# KiCad board OpenDeck-r2.2.1.kicad_pcb (continued)
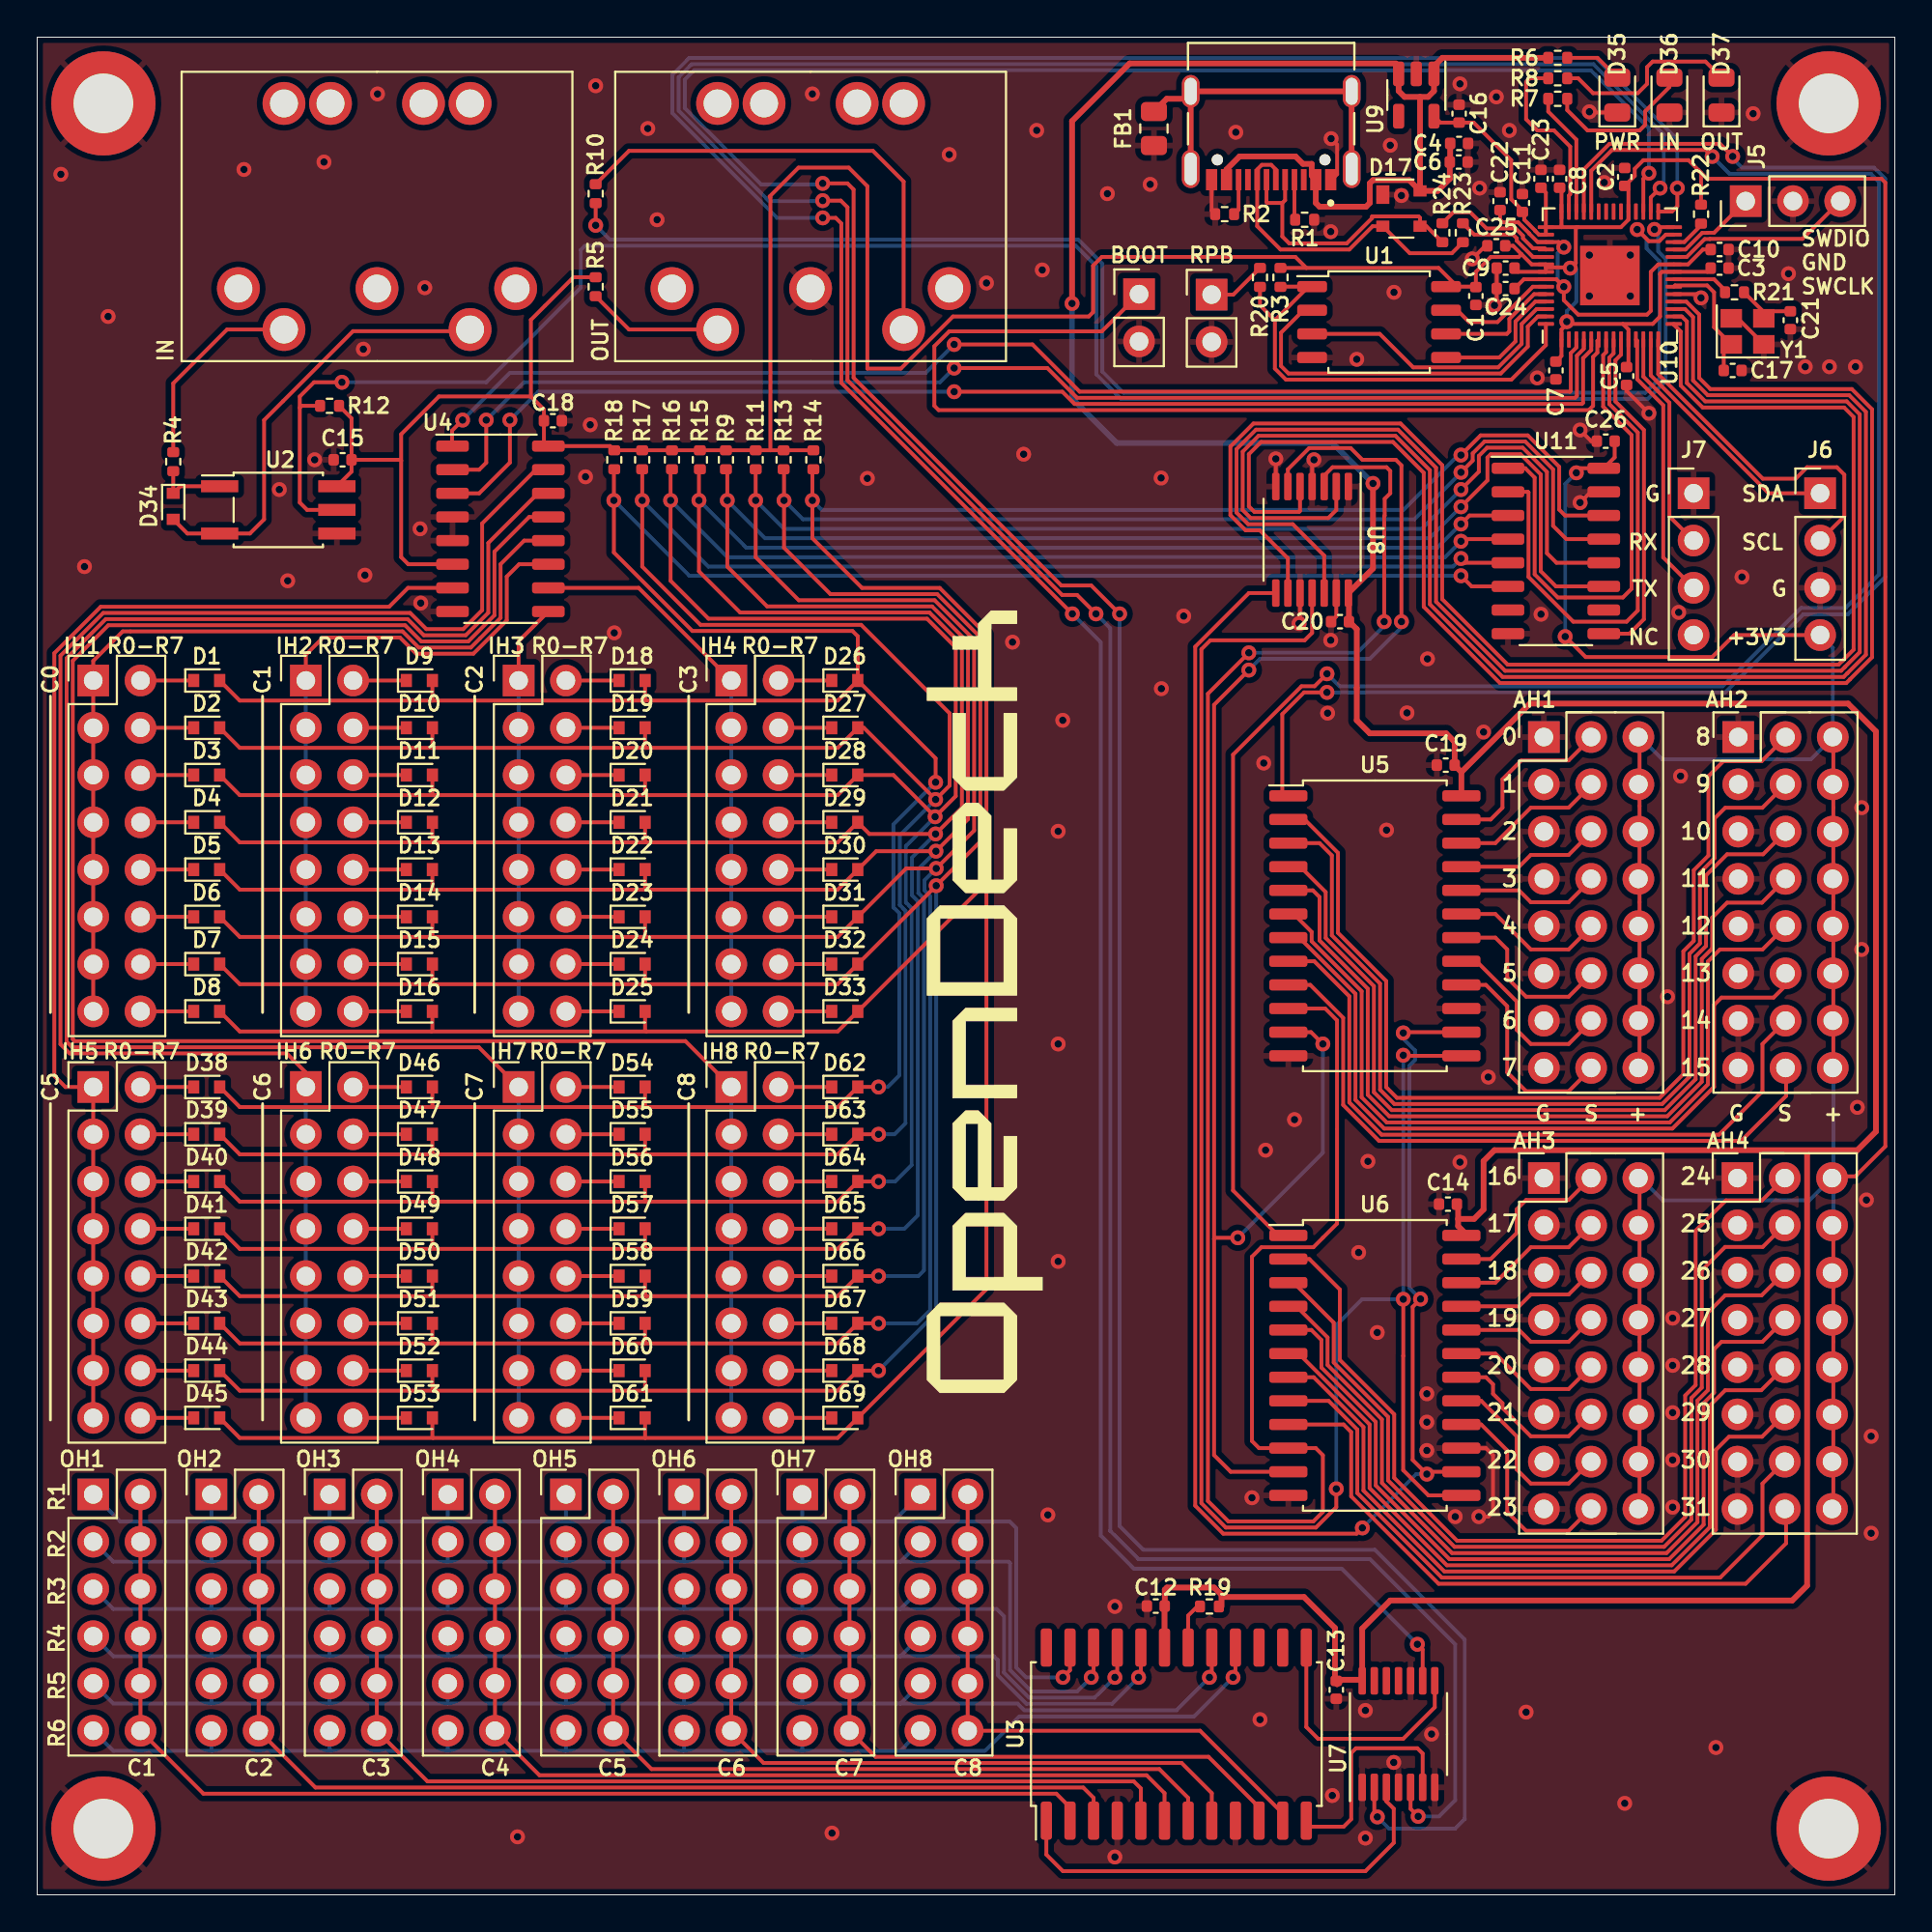
[diagram p0: board, top side]
## Nets (continued)
/LEDs/LC_6: OH6.2 OH6.4 OH6.6 OH6.8 OH6.10 OH6.12 U3.8
/LEDs/LC_7: OH7.2 OH7.4 OH7.6 OH7.8 OH7.10 OH7.12 U3.10
/LEDs/LC_8: OH8.2 OH8.4 OH8.6 OH8.8 OH8.10 OH8.12 U3.11
/LEDs/LR_1_MO: OH1.1 OH2.1 OH3.1 OH4.1 OH5.1 OH6.1 OH7.1 OH8.1 U3.23
/LEDs/LR_2_MO: OH1.3 OH2.3 OH3.3 OH4.3 OH5.3 OH6.3 OH7.3 OH8.3 U3.22
/LEDs/LR_3_MO: OH1.5 OH2.5 OH3.5 OH4.5 OH5.5 OH6.5 OH7.5 OH8.5 U3.21
/LEDs/LR_4_MO: OH1.7 OH2.7 OH3.7 OH4.7 OH5.7 OH6.7 OH7.7 OH8.7 U3.20
/LEDs/LR_5_MO: OH1.9 OH2.9 OH3.9 OH4.9 OH5.9 OH6.9 OH7.9 OH8.9 U3.17
/LEDs/LR_6_MO: OH1.11 OH2.11 OH3.11 OH4.11 OH5.11 OH6.11 OH7.11 OH8.11 U3.16
/MAX7219_CLK: U7.9 U10.29
/MAX7219_DIN: U7.2 U10.31
/MAX7219_LOAD: U7.5 U10.30
/MIDI_RX: R12.2 U2.5 U10.28
/MIDI_TX: R10.2 U10.27
/MUX_COMMON_1: U5.1 U10.39
/MUX_COMMON_2: U6.1 U10.38
/MUX_S0: U8.2 U10.17
/MUX_S1: U8.5 U10.18
/MUX_S2: U8.9 U10.15
/MUX_S3: U8.12 U10.16
/QSPI_CLK: U1.6 U10.52
/QSPI_CS: R3.2 R20.1 U1.1 U10.56
/QSPI_IO0: U1.5 U10.53
/QSPI_IO1: U1.2 U10.55
/QSPI_IO2: U1.3 U10.54
/QSPI_IO3: U1.7 U10.51
/SCL: J6.2 U10.14
/SDA: J6.1 U10.13
/SR_IN_CLOCK: U10.8 U11.2
/SR_IN_DATA: U10.9 U11.9
/SR_IN_LATCH: U10.7 U11.1
/SWCLK: J5.3 U10.24
/SWD: J5.1 U10.25
/TRAFFIC_IN: R7.1 U10.40
/TRAFFIC_OUT: R8.1 U10.41
/TSCREEN_RX: J7.2 U10.12
/TSCREEN_TX: J7.3 U10.11
/USB_DM: D17.3 J3.A7 J3.B7 R24.1
/USB_DP: D17.2 J3.A6 J3.B6 R23.1
/~{USB_BOOT}: J4.1 R20.2
Net-(C17-Pad1): C17.1 U10.20 Y1.1
Net-(C21-Pad2): C21.2 R21.1 Y1.3
Net-(D1-Pad1): D1.1 IH1.2
Net-(D2-Pad1): D2.1 IH1.4
Net-(D3-Pad1): D3.1 IH1.6
Net-(D4-Pad1): D4.1 IH1.8
Net-(D5-Pad1): D5.1 IH1.10
Net-(D6-Pad1): D6.1 IH1.12
Net-(D7-Pad1): D7.1 IH1.14
Net-(D8-Pad1): D8.1 IH1.16
Net-(D9-Pad1): D9.1 IH2.2
Net-(D10-Pad1): D10.1 IH2.4
Net-(D11-Pad1): D11.1 IH2.6
Net-(D12-Pad1): D12.1 IH2.8
Net-(D13-Pad1): D13.1 IH2.10
Net-(D14-Pad1): D14.1 IH2.12
Net-(D15-Pad1): D15.1 IH2.14
Net-(D16-Pad1): D16.1 IH2.16
Net-(D18-Pad1): D18.1 IH3.2
Net-(D19-Pad1): D19.1 IH3.4
Net-(D20-Pad1): D20.1 IH3.6
Net-(D21-Pad1): D21.1 IH3.8
Net-(D22-Pad1): D22.1 IH3.10
Net-(D23-Pad1): D23.1 IH3.12
Net-(D24-Pad1): D24.1 IH3.14
Net-(D25-Pad1): D25.1 IH3.16
Net-(D26-Pad1): D26.1 IH4.2
Net-(D27-Pad1): D27.1 IH4.4
Net-(D28-Pad1): D28.1 IH4.6
Net-(D29-Pad1): D29.1 IH4.8
Net-(D30-Pad1): D30.1 IH4.10
Net-(D31-Pad1): D31.1 IH4.12
Net-(D32-Pad1): D32.1 IH4.14
Net-(D33-Pad1): D33.1 IH4.16
Net-(D34-Pad1): D34.1 R4.2 U2.1
Net-(D34-Pad2): D34.2 J1.5 U2.3
Net-(D35-Pad2): D35.2 R6.2
Net-(D36-Pad2): D36.2 R7.2
Net-(D37-Pad2): D37.2 R8.2
Net-(D38-Pad1): D38.1 IH5.2
Net-(D39-Pad1): D39.1 IH5.4
Net-(D40-Pad1): D40.1 IH5.6
Net-(D41-Pad1): D41.1 IH5.8
Net-(D42-Pad1): D42.1 IH5.10
Net-(D43-Pad1): D43.1 IH5.12
Net-(D44-Pad1): D44.1 IH5.14
Net-(D45-Pad1): D45.1 IH5.16
Net-(D46-Pad1): D46.1 IH6.2
Net-(D47-Pad1): D47.1 IH6.4
Net-(D48-Pad1): D48.1 IH6.6
Net-(D49-Pad1): D49.1 IH6.8
Net-(D50-Pad1): D50.1 IH6.10
Net-(D51-Pad1): D51.1 IH6.12
Net-(D52-Pad1): D52.1 IH6.14
Net-(D53-Pad1): D53.1 IH6.16
Net-(D54-Pad1): D54.1 IH7.2
Net-(D55-Pad1): D55.1 IH7.4
Net-(D56-Pad1): D56.1 IH7.6
Net-(D57-Pad1): D57.1 IH7.8
Net-(D58-Pad1): D58.1 IH7.10
Net-(D59-Pad1): D59.1 IH7.12
Net-(D60-Pad1): D60.1 IH7.14
Net-(D61-Pad1): D61.1 IH7.16
Net-(D62-Pad1): D62.1 IH8.2
Net-(D63-Pad1): D63.1 IH8.4
Net-(D64-Pad1): D64.1 IH8.6
Net-(D65-Pad1): D65.1 IH8.8
Net-(D66-Pad1): D66.1 IH8.10
Net-(D67-Pad1): D67.1 IH8.12
Net-(D68-Pad1): D68.1 IH8.14
Net-(D69-Pad1): D69.1 IH8.16
Net-(FB1-Pad2): FB1.2 J3.S1 J3.S2 J3.S3 J3.S4
Net-(J1-Pad4): J1.4 R4.1
Net-(J2-Pad4): J2.4 R5.1
Net-(J2-Pad5): J2.5 R10.1
Net-(J3-PadA5): J3.A5 R1.1
Net-(J3-PadB5): J3.B5 R2.1
Net-(R19-Pad2): R19.2 U3.18
Net-(R21-Pad2): R21.2 U10.21
Net-(R22-Pad2): R22.2 U10.26
Net-(R23-Pad2): R23.2 U10.47
Net-(R24-Pad2): R24.2 U10.46
Net-(U3-Pad1): U3.1 U7.3
Net-(U3-Pad12): U3.12 U7.6
Net-(U3-Pad13): U3.13 U7.8

Pads without a net: J1 1 2 3 6 7 8 9; J2 1 3 6 7 8 9; J3 A8 B8; J7 4; U3 14 15 24; U7 11 12 13; U9 4; U10 2 32 34 35 36 37; U11 7 10

## Via types
v1: diameter 0.8, hole 0.4, Top to Bottom, 202 vias

## Routing (per net, layer and track width the routed paths; a pad name or vN(x,y) marks a point on that pad's centre or on a via; arc(x,y) is an arc through that point)
+1V1: length 21.6
  Top w0.203: C10.2 89.51,88.41 88.71,87.61 U10.23 87.11,87.61 86.71,87.21 86.71,85.11 86.51,84.91 82.81,84.91 82.04,85.69 v1(82.04,86.41) 81.64,86.81 U10.50 79.89,86.81 C24.2 ; C22.2 78.61,90.01 78.75,89.88 79.58,89.88 80.17,89.29 80.17,89.27 80.63,88.81 U10.45 81.76,88.81 v1(82.04,88.54)
  Bottom w0.203: v1(82.04,88.54) 81.71,88.21 81.71,86.74 v1(82.04,86.41)
+3V3: length 376.6
  Top w0.203: U2.6 16.89,76.48 C15.2 ; 68.2,87.42 75.3,87.42 76.31,86.42 77.28,86.42 C1.1 77.31,87.21 78.11,88.01 79.61,88.01 79.76,88.16 ; 68.2,87.42 R3.1 ; 68.2,87.42 67.61,88.01 57.21,88.01 56.74,87.54 56.74,85.04 56.51,84.81 49.21,84.81 46.41,82.01 44.61,82.01 44.61,91.81 43.61,92.81 40.91,92.81 39.36,91.26 39.4,91.22 39.4,77.62 ; 81.07,87.45 82.45,87.45 82.68,87.69 82.68,89.59 82.71,89.61 82.81,89.61 ; 81.07,87.45 U10.49 79.59,87.21 C9.1 ; 81.07,87.45 U10.48 80.31,87.61 79.76,88.16 ; 89.27,92.68 89.41,92.54 R22.1 ; 89.27,92.68 88.73,93.21 86.31,93.21 85.85,92.75 85.85,92.37 C2.1 85.51,91.63 U10.33 85.51,90.02 85.1,89.61 82.81,89.61 ; 89.27,92.68 89.73,92.21 99.11,92.21 99.31,92.01 99.31,40.22 97.7,38.61 96.52,38.61 ; C15.2 19.51,77.11 19.56,77.07 ; C15.2 16.89,79.34 R12.1 ; R5.2 28.82,86.92 26.53,84.63 26.53,80.52 ; 19.56,77.07 19.56,78.49 21.59,80.52 26.53,80.52 ; 19.56,77.07 19.56,71.88 19.94,71.5 22.29,71.5 ; 79.76,88.16 79.31,88.61 C25.1 ; 39.4,77.62 R18.2 30.78,77.85 U4.16 27.23,78.09 C18.2 27.23,79.82 26.53,80.52 ; 39.4,77.62 R14.2 ; J6.4 91.19,67.69 90.01,66.51 83.21,66.51 v1(82.11,67.61) ; U10.43 81.07,91.47 C23.1 ; U10.43 U10.44 80.7,89.21 80.5,89.41 80.5,89.42 79.91,90.02 79.91,90.33 C11.1 79.81,90.51 79.21,91.11 79.21,93.21 77.19,95.23 C16.2 75.4,95.23 U9.5 ; U10.43 81.91,89.61 ; 82.81,89.61 81.91,89.61 ; 82.21,84.41 81.91,84.11 U10.1 81.91,82.69 C7.1 ; 82.21,84.41 82.21,84.52 v1(82.2,84.54) ; 82.21,84.41 85.21,84.41 ; v1(82.71,76.41) 82.95,76.66 84.18,76.66 84.77,77.24 C26.2 ; 86.11,38.61 86.11,20.83 ; 96.52,36.07 96.52,20.83 ; 81.91,89.61 U10.42 81.91,91.63 C8.1 ; 96.52,44.45 96.52,62.23 ; 85.21,84.41 85.51,84.11 U10.10 85.51,82.19 C5.1 ; 85.21,84.41 86.81,84.41 87.21,84.81 87.21,87.11 87.31,87.21 U10.22 89.73,87.21 C3.1 ; 86.11,62.23 86.11,44.45
  Bottom w0.203: J6.4 96.49,67.01 AH2.17 ; 86.11,38.57 87.36,37.31 95.23,37.31 96.52,38.61 ; 86.11,62.23 87.32,61.01 95.3,61.01 96.52,62.23 ; v1(82.38,87.41) 82.41,87.41 82.51,87.51 82.71,87.31 82.71,85.61 82.2,85.1 v1(82.2,84.54) ; 96.52,38.61 96.52,44.45 ; 96.52,38.61 96.52,36.07 ; v1(82.71,76.41) 82.11,75.81 v1(82.11,67.61)
+5V: length 250.9
  Top w0.305: 73.02,98.41 58.71,98.41 55.61,95.31 v1(55.61,85.51) ; 74.31,96.61 74.74,96.61 75.06,96.93 U9.1 75.06,98.26 75.51,98.71 R6.1 ; 74.31,96.61 D17.4 ; 74.31,96.61 73.48,96.61 73.16,96.93 U9.3 ; 76.53,60.33 80.22,64.01 97.31,64.01 98.81,62.51 98.81,41.01 97.81,40.01 78.31,40.01 77.72,39.43 77.72,36.83 77.22,36.32 76.36,36.32 ; 76.53,60.33 76.17,60.69 C19.2 76.17,61.95 75.71,62.41 71.61,62.41 70.91,63.11 70.91,68.01 70.61,68.31 ; 76.53,60.33 U5.24 ; 76.36,36.32 76.36,37.07 76.34,37.08 ; 76.36,36.32 76.36,35.93 76.86,35.43 ; C20.2 70.49,69.92 U8.14 71.78,71.27 v1(71.78,75.84) ; D17.4 73.73,92.14 71.78,92.14 71.61,91.97 71.61,90.91 71.41,90.71 68.91,90.71 68.71,90.91 J3.A4/B9 68.49,92.39 68.49,93.01 68.02,93.01 67.62,93.41 64.61,93.41 63.91,92.71 J3.B4/A9 ; D17.4 75.26,91.56 75.91,92.21 C6.2 75.93,93.13 C4.2 ; U7.14 71.2,14.31 72.71,15.81 94.31,15.81 95.11,16.61 95.11,39.91 ; 71.2,11.55 70.09,11.55 69.85,11.32 69.74,11.43 69.74,14.34 68.07,16 63.75,16 63.64,16.11 ; 63.64,15.49 63.64,16.11 ; 63.64,16.11 63.25,16.51 60.71,16.51 60.59,16.4 60.59,15.49 60.58,15.48 60.58,13.61
  Bottom w0.305: v1(55.61,85.51) 55.61,80.41 58.01,78.01 69.61,78.01 v1(71.78,75.84)
GND: length 29.7
  Top w0.203: v1(66.56,77.16) U8.7 ; U10.19 89.21,86.01 v1(89.41,85.81) ; v1(68.61,77.11) 68.51,77.01 U8.4 ; Y1.4 91.38,84.71 Y1.2 ; 76.86,47.63 77.17,47.63 ; D35.1 83.45,95.78 v1(83.41,95.81) ; C5.2 85.41,80.81 v1(86.61,79.61) ; R2.2 63.11,90.5 J3.B1/A12 ; 69.51,92.11 69.86,92.46 69.86,94.05 v1(69.53,94.37) ; v1(82.91,74.81) 83.48,75.39 84.18,75.39 ; C25.2 77.82,88.61 v1(77.12,87.91) ; U8.10 67.86,68.66 67.81,68.61 v1(67.81,68.31) ; C9.2 C24.1 78.43,85.53 v1(78.31,85.41) ; C20.1 69.81,68.69 U8.13 ; C26.1 83.51,78.11 v1(82.91,78.71) ; 76.86,24 77.85,24 78.23,23.62 78.23,20.57 77.98,20.32 v1(77.47,20.32)
  vias: v1(1.27,92.46) v1(2.54,71.37) v1(3.81,84.81) v1(11.11,92.71) v1(13.01,75.51) v1(13.46,70.61) v1(14.91,77.11) v1(15.41,93.11) v1(17.53,83.06) v1(17.61,70.91) v1(18.29,96.77) v1(20.57,73.41) v1(20.61,69.41) v1(20.83,86.36) v1(25.81,3.11) v1(29.46,76.2) v1(29.72,78.99) v1(30.01,97.21) v1(31.01,67.81) v1(32.81,94.91) v1(33.31,90.01) v1(41.66,96.77) v1(42.71,3.31) v1(44.61,76.11) v1(49.01,93.51) v1(51.01,86.61) v1(52.41,67.31) v1(53.01,77.41) v1(53.71,94.81) v1(54.01,87.31) v1(54.31,20.41) v1(54.86,57.15) v1(54.86,45.72) v1(54.86,34.04) v1(55.11,63.11) v1(57.51,91.41) v1(57.91,15.49) v1(57.91,2.03) v1(59.81,91.91) v1(60.4,76.13) v1(60.41,64.81) v1(61.61,68.71) v1(64.41,94.71) v1(65.28,21.34) v1(65.71,9.41) v1(65.91,60.81) v1(66.01,40.01) v1(67.56,41.66) v1(69.34,63.5) v1(69.51,89.37) v1(69.51,67.41) v1(69.6,5.33) v1(70.91,82.51) v1(71.01,34.51) v1(71.37,9.91) v1(71.37,3.05) v1(71.51,39.41) v1(72.01,30.21) v1(72.51,57.21) v1(72.71,94.01) v1(72.91,86.11) v1(72.9,7.11) v1(73.31,91.31) v1(73.61,63.51) v1(74.71,66.41) v1(74.68,26.92) v1(74.68,25.4) v1(74.68,23.88) v1(74.93,8.64) v1(76.2,20.32) v1(76.45,97.31) v1(76.45,39.37) v1(77.51,91.71) v1(77.72,62.48) v1(77.98,43.94) v1(78.41,96.61) v1(79.11,94.81) v1(80.01,9.81) v1(80.61,81.51) v1(80.81,68.81) v1(83.41,88.11) v1(83.41,85.91) v1(84.21,92.01) v1(85.31,4.91) v1(85.61,88.11) v1(85.61,85.91) v1(87.61,48.26) v1(87.88,30.99) v1(87.88,28.45) v1(87.88,25.91) v1(87.88,23.37) v1(87.88,20.83) v1(88.21,68.91) v1(88.31,60.11) v1(90.21,7.91) v1(91.61,70.81) v1(92.21,95.71) v1(94.11,87.11) v1(95.01,82.11) v1(96.31,82.11) v1(97.71,82.11) v1(97.81,42.31) v1(98.04,58.42) v1(98.04,50.8) v1(98.3,37.34) v1(98.55,24.64) v1(98.55,19.43)
/Analog/A_IN_0: length 9.4
  Top w0.203: 83.57,62.23 82.3,60.96 79.76,60.96 78.74,59.94 78.74,58.42 78.1,57.79 76.86,57.79
/Analog/A_IN_1: length 8
  Top w0.203: 76.86,56.52 78.36,56.52 80.26,58.42 82.3,58.42 83.57,59.69
/Analog/A_IN_2: length 7.5
  Top w0.203: 76.86,55.25 79.63,55.25 80.26,55.88 82.3,55.88 83.57,57.15
/Analog/A_IN_3: length 7.5
  Top w0.203: 83.57,54.61 82.3,53.34 80.26,53.34 79.63,53.98 76.86,53.98
/Analog/A_IN_4: length 8
  Top w0.203: 83.57,52.07 82.3,50.8 80.26,50.8 78.36,52.71 76.86,52.71
/Analog/A_IN_5: length 9.4
  Top w0.203: 76.86,51.44 78.36,51.44 78.99,50.8 78.99,49.28 80.01,48.26 82.3,48.26 83.57,49.53
/Analog/A_IN_6: length 10
  Top w0.203: 83.57,46.99 82.3,45.72 80.26,45.72 79.5,46.48 79.5,48.01 77.34,50.17 76.86,50.17
/Analog/A_IN_7: length 11.7
  Top w0.203: 83.57,44.45 82.3,43.18 80.01,43.18 78.99,44.2 78.99,47.75 77.85,48.9 76.86,48.9
/Analog/A_IN_8: length 55.4
  Top w0.203: 93.98,62.23 92.66,60.91 90.61,60.91 89.81,60.11 89.81,55.85 89.02,55.06 89.02,51.26 88.46,50.7 88.46,44.1 87.19,42.83 73.07,42.83 72.49,43.4 72.49,49.1 69.9,51.69 69.9,55.99 68.11,57.79 U5.2
/Analog/A_IN_9: length 52.9
  Top w0.203: 93.98,59.69 92.7,58.41 90.71,58.41 90.14,57.84 90.14,55.71 89.35,54.92 89.35,51.13 88.79,50.57 88.79,43.96 87.32,42.5 72.93,42.5 72.16,43.26 72.16,48.96 69.57,51.56 69.57,55.85 68.91,56.52 U5.3
/Analog/A_IN_10: length 49.2
  Top w0.203: 93.98,57.15 92.74,55.91 90.81,55.91 89.68,54.78 89.68,50.99 89.12,50.43 89.12,43.83 87.46,42.17 72.79,42.17 71.83,43.13 71.83,48.83 69.24,51.42 69.24,53.88 67.88,55.25 U5.4
/Analog/A_IN_11: length 46.6
  Top w0.203: U5.5 68.55,53.98 68.91,53.61 68.91,51.28 71.5,48.69 71.5,42.99 72.66,41.84 87.6,41.84 89.45,43.69 89.45,50.29 90.01,50.85 90.01,52.51 90.81,53.31 92.68,53.31 93.98,54.61
/Analog/A_IN_12: length 43
  Top w0.203: 93.98,52.07 92.71,50.8 90.42,50.8 89.78,50.16 89.78,43.55 87.73,41.51 72.52,41.51 71.17,42.85 71.17,48.55 68.49,51.24 68.49,51.74 67.52,52.71
/Analog/A_IN_13: length 40.8
  Top w0.203: 93.98,49.53 93.98,48.88 93.31,48.21 90.51,48.21 90.11,47.81 90.11,43.41 87.87,41.18 72.38,41.18 70.84,42.72 70.84,48.42 67.82,51.44 U5.7
/Analog/A_IN_14: length 38.3
  Top w0.203: 66.91,50.17 68.63,50.17 70.51,48.28 70.51,42.58 72.25,40.84 90.37,40.84 92.71,43.18 92.71,45.72 93.98,46.99
/Analog/A_IN_15: length 35.8
  Top w0.203: 66.91,48.9 68.41,48.9 70.18,47.13 70.18,42.44 72.11,40.51 91.57,40.51 93.98,42.93 93.98,44.45
/Analog/A_IN_16: length 9.3
  Top w0.203: 83.57,38.61 82.3,37.34 80.01,37.34 79.5,36.83 79.5,35.56 78.1,34.16 76.86,34.16
/Analog/A_IN_17: length 8
  Top w0.203: 76.86,32.89 78.36,32.89 80.26,34.8 82.3,34.8 83.57,36.07
/Analog/A_IN_18: length 7.5
  Top w0.203: 76.86,31.62 79.63,31.62 80.26,32.26 82.3,32.26 83.57,33.53
/Analog/A_IN_19: length 7.5
  Top w0.203: 76.86,30.35 79.63,30.35 80.26,29.72 82.3,29.72 83.57,30.99
/Analog/A_IN_20: length 8
  Top w0.203: 76.86,29.08 78.36,29.08 80.26,27.18 82.3,27.18 83.57,28.45
/Analog/A_IN_21: length 9
  Top w0.203: 83.57,25.91 82.3,24.64 80.26,24.64 78.74,26.16 78.74,26.42 78.23,26.92 78.23,27.43 77.85,27.81 76.86,27.81
/Analog/A_IN_22: length 10.1
  Top w0.203: 76.86,26.54 77.6,26.54 79.5,24.64 79.5,22.86 80.26,22.1 82.3,22.1 83.57,23.37
/Analog/A_IN_23: length 11.5
  Top w0.203: 76.86,25.27 77.6,25.27 78.99,23.88 78.99,20.57 80.01,19.56 82.3,19.56 83.57,20.83
/Analog/A_IN_24: length 54
  Top w0.203: 93.98,38.61 92.69,37.31 90.74,37.31 89.12,35.69 89.12,27.39 88.56,26.83 88.56,20.3 87.29,19.03 76.3,19.03 72.92,22.41 72.92,25.82 70,28.74 70,32.52 68.36,34.16 U6.2
/Analog/A_IN_25: length 50.6
  Top w0.203: U6.3 67.52,32.89 69.67,30.75 69.67,28.6 72.59,25.68 72.59,22.27 76.16,18.7 87.42,18.7 88.89,20.16 88.89,26.69 89.45,27.26 89.45,33.55 90.71,34.81 92.73,34.81 93.98,36.07
/Analog/A_IN_26: length 47.7
  Top w0.203: U6.4 67.67,31.62 69.34,29.95 69.34,28.47 72.26,25.55 72.26,22.13 76.03,18.37 87.56,18.37 89.22,20.02 89.22,26.56 89.78,27.12 89.78,31.28 90.71,32.21 92.67,32.21 93.98,33.53
/Analog/A_IN_27: length 45.3
  Top w0.203: 93.98,30.99 92.71,29.71 90.51,29.71 90.11,29.31 90.11,26.98 89.55,26.42 89.55,19.89 87.7,18.04 75.89,18.04 71.93,21.99 71.93,25.41 69.01,28.33 69.01,29.81 68.47,30.35 U6.5
/Analog/A_IN_28: length 42.1
  Top w0.203: 66.91,29.08 67.79,29.08 71.6,25.27 71.6,21.86 75.75,17.71 87.83,17.71 89.88,19.75 89.88,26.28 90.71,27.11 92.65,27.11 93.98,28.45
/Analog/A_IN_29: length 39.5
  Top w0.203: 66.91,27.81 68.59,27.81 71.27,25.14 71.27,21.72 75.62,17.38 87.97,17.38 90.21,19.61 90.21,23.91 90.91,24.61 92.69,24.61 93.98,25.91
/Analog/A_IN_30: length 37.3
  Top w0.203: 66.91,26.54 69.4,26.54 70.94,25 70.94,21.58 75.48,17.04 90.44,17.04 92.71,19.31 92.71,22.1 93.98,23.37
/Analog/A_IN_31: length 35.5
  Top w0.203: 66.91,25.27 70.2,25.27 70.61,24.86 70.61,21.41 75.31,16.71 91.81,16.71 93.98,18.88 93.98,20.83
/Analog/MUX_S0_5V: length 110.6
  Top w0.203: v1(65.11,66.74) 62.91,64.54 62.91,21.16 64.01,20.07 68.58,20.07 69.09,20.57 69.09,23.62 68.71,24 65.66,24 65.28,24.38 65.28,34.29 65.79,34.8 68.58,34.8 69.85,36.07 69.85,46.99 69.22,47.63 66.91,47.63 ; v1(72.38,68.41) 72.38,74.09 72.41,74.11 72.41,75.01 72.71,75.31 72.71,76.51 72.51,76.71 69.61,76.71 69.16,76.26 U8.3
  Bottom w0.203: v1(65.11,66.74) 65.11,66.74 70.94,66.74 72.41,68.21 72.41,68.41 v1(72.38,68.41)
/Analog/MUX_S1_5V: length 88.8
  Top w0.203: 66.91,22.73 64.13,22.73 63.24,23.63 63.24,35.24 ; v1(65.11,65.81) 63.24,63.94 63.24,35.24 ; U8.6 67.21,76.6 68.35,77.74 70.58,77.74 71.21,77.11 73.01,77.11 73.31,76.81 v1(73.31,68.41) ; v1(69.09,45.72) 68.45,46.36 66.91,46.36 ; v1(64.52,35.31) 63.3,35.31 63.24,35.24
  Bottom w0.203: v1(73.31,68.41) 73.31,68.11 71.61,66.41 65.71,66.41 v1(65.11,65.81) ; v1(69.09,45.72) 69.09,39.88 v1(64.52,35.31)
/Analog/MUX_S2_5V: length 96.3
  Top w0.203: v1(74.34,32.01) 73.91,31.59 73.91,23.37 v1(74.68,22.61) 74.8,22.73 76.86,22.73 ; U5.14 73.45,46.36 v1(73.41,46.31) ; U8.8 65.11,69.95 62.23,67.07 62.23,20.91 63.73,19.41 70.9,19.41 v1(71.21,19.71)
  Bottom w0.203: v1(74.34,32.01) 73.74,32.61 73.74,44.56 74.04,44.85 74.04,45.37 73.41,46 v1(73.41,46.31) ; v1(74.68,22.61) 74.1,22.61 v1(71.21,19.71)
/Analog/MUX_S3_5V: length 106
  Top w0.203: v1(73.41,32) 73.41,28.96 73.41,28.96 73.41,22.82 74.76,21.46 76.86,21.46 ; U8.11 68.51,67.81 68.11,67.41 63.04,67.41 62.56,66.93 62.56,21.05 63.87,19.74 68.72,19.74 69.81,20.83 v1(69.81,21.81) ; v1(73.41,45.11) 73.44,45.09 U5.13
  Bottom w0.203: v1(73.41,45.11) v1(73.41,32) 71.2,32 69.81,30.61 v1(69.81,21.81)
/BTLDR: length 54.6
  Top w0.203: U10.6 83.84,83.51 83.84,82.87 83.61,82.64 83.61,80.01 83.38,79.78 48.44,79.78 48.21,80.01 48.21,83.21 49.01,84.01 57.21,84.01 J8.1
/Buttons/BC_1: length 48.4
  Top w0.203: IH1.15 IH1.13 IH1.11 IH1.9 IH1.7 IH1.5 IH1.3 IH1.1 3.01,66.31 4.6,67.89 19.63,67.89 20.5,67.02 23.3,67.02 23.8,67.52 ; 23.81,67.53 24.9,68.62 24.9,71.51 26.17,72.77 U4.12
/Buttons/BC_2: length 36.3
  Top w0.203: IH2.1 14.43,66.64 15.36,67.56 19.49,67.56 20.36,66.69 23.44,66.69 25.23,68.48 25.23,70.84 25.9,71.5 U4.11
  Bottom w0.203: IH2.1 IH2.3 IH2.5 IH2.7 IH2.9 IH2.11 IH2.13 IH2.15
/Buttons/BC_3: length 22.1
  Top w0.203: IH3.1 25.87,67.36 U4.9
  Bottom w0.203: IH3.15 IH3.13 IH3.11 IH3.9 IH3.7 IH3.5 IH3.3 IH3.1
/Buttons/BC_4: length 29.7
  Top w0.203: IH4.1 32.32,70.23 U4.10
  Bottom w0.203: IH4.15 IH4.13 IH4.11 IH4.9 IH4.7 IH4.5 IH4.3 IH4.1
/Buttons/BC_5: length 65.7
  Top w0.203: U4.7 19.93,70.23 18.91,69.21 3.41,69.21 0.92,66.72 0.92,44.01 1.52,43.41 IH5.1 IH5.3 IH5.5 IH5.7 IH5.9 IH5.11 IH5.13 IH5.15
/Buttons/BC_6: length 87.1
  Top w0.203: IH6.1 14.43,44.19 13.41,45.21 1.74,45.21 1.25,45.71 1.25,66.59 3.55,68.88 20.04,68.88 20.91,68.01 22.89,68.01 23.91,69.03 23.91,73.69 26.8,76.58 U4.15
  Bottom w0.203: IH6.1 IH6.3 IH6.5 IH6.7 IH6.9 IH6.11 IH6.13 IH6.15
/Buttons/BC_7: length 96.2
  Top w0.203: U4.14 26.91,75.31 24.24,72.64 24.24,68.89 23.03,67.68 20.77,67.68 19.9,68.55 3.68,68.55 1.58,66.45 1.58,45.84 1.88,45.54 23.73,45.54 IH7.1
  Bottom w0.203: IH7.15 IH7.13 IH7.11 IH7.9 IH7.7 IH7.5 IH7.3 IH7.1
/Buttons/BC_8: length 106
  Top w0.203: IH8.1 34.83,45.88 2.02,45.88 1.91,45.98 1.91,66.31 3.82,68.22 19.77,68.22 20.64,67.35 23.17,67.35 24.57,68.76 24.57,72.18 26.44,74.04 U4.13
  Bottom w0.203: IH8.1 IH8.3 IH8.5 IH8.7 IH8.9 IH8.11 IH8.13 IH8.15
/Buttons/BR_1: length 172.9
  Top w0.203: 32.69,42.33 43.02,42.33 D62.2 44.1,43.41 45.11,43.41 ; 32.69,42.33 32.67,42.36 D54.2 ; 32.69,42.33 21.29,42.33 ; 21.25,64.17 10.88,64.17 D1.2 ; 21.25,64.17 21.24,64.19 D9.2 ; 21.25,64.17 32.67,64.17 ; 32.67,64.17 32.67,64.18 D18.2 ; 32.67,64.17 43.02,64.17 D26.2 ; D26.2 44.1,67.63 43.81,67.91 35.21,67.91 30.99,72.14 v1(30.99,74.93) 30.99,76.57 ; D26.2 48.28,61.07 v1(48.28,59.78) ; v1(76.51,70.88) 77.08,70.31 U11.6 ; D38.2 10.88,42.33 21.29,42.33 ; 21.29,42.33 21.24,42.39 D46.2
  Bottom w0.203: v1(30.99,74.93) 30.99,74.93 35.04,70.88 v1(76.51,70.88) ; v1(48.28,59.78) 46.01,57.52 46.01,53.06 46.33,52.74 46.33,44.03 45.7,43.41 v1(45.21,43.41)
/Buttons/BR_2: length 179.8
  Top w0.203: D47.2 21.24,39.84 21.29,39.79 ; 21.29,61.63 10.88,61.63 D2.2 ; 21.29,61.63 21.24,61.69 D10.2 ; 21.29,61.63 32.69,61.63 ; v1(76.51,71.81) 76.74,71.58 U11.5 ; 21.29,39.79 10.88,39.79 D39.2 ; 21.29,39.79 32.63,39.79 ; 32.51,76.57 v1(32.51,74.93) 32.51,71.37 35.64,68.24 44.28,68.24 49.03,63.49 49.03,59.61 v1(48.28,58.86) 44.42,62.71 D27.2 43.02,61.63 32.69,61.63 ; D19.2 32.67,61.66 32.69,61.63 ; 32.63,39.79 32.67,39.82 D55.2 ; 32.63,39.79 43.02,39.79 D63.2 v1(45.21,40.87)
  Bottom w0.203: v1(45.21,40.87) 46.06,40.87 46.66,41.46 46.66,52.88 46.35,53.19 46.35,56.93 v1(48.28,58.86) ; v1(76.51,71.81) 76.08,71.37 36.07,71.37 v1(32.51,74.93)
/Buttons/BR_3: length 181.5
  Top w0.203: 32.69,59.09 43.02,59.09 D28.2 46.01,60.17 v1(48.25,57.93) 49.36,59.04 49.36,67.03 47.81,68.58 36.07,68.58 34.04,70.61 v1(34.04,74.93) 34.04,76.57 ; 32.69,59.09 32.67,59.12 D20.2 ; 32.69,59.09 21.23,59.09 ; 21.27,37.25 10.88,37.25 D40.2 ; 21.27,37.25 32.65,37.25 ; 21.27,37.25 21.24,37.29 D48.2 ; D11.2 21.24,59.1 21.23,59.09 ; 21.23,59.09 10.88,59.09 D3.2 ; 32.65,37.25 32.67,37.27 D56.2 ; 32.65,37.25 43.02,37.25 D64.2 v1(45.21,38.33) ; U11.4 76.62,72.85 v1(76.51,72.74)
  Bottom w0.203: v1(34.04,74.93) 37.08,71.88 75.66,71.88 v1(76.51,72.74) ; v1(48.25,57.93) 46.68,56.36 46.68,53.32 46.99,53.01 46.99,39.21 46.1,38.33 v1(45.21,38.33)
/Buttons/BR_4: length 181
  Top w0.203: 21.27,56.55 32.67,56.55 ; 21.27,56.55 21.24,56.59 D12.2 ; 21.27,56.55 10.88,56.55 D4.2 ; 32.67,56.55 43.02,56.55 D29.2 44.72,57.01 v1(48.27,57.01) 49.69,58.42 49.69,67.17 47.95,68.91 37.77,68.91 35.56,71.12 v1(35.56,74.93) 35.56,76.57 ; 32.67,56.55 32.67,56.56 D21.2 ; 21.21,34.71 32.61,34.71 ; 21.21,34.71 21.24,34.73 D49.2 ; 21.21,34.71 10.88,34.71 D41.2 ; 32.61,34.71 43.02,34.71 D65.2 v1(45.21,35.79) ; 32.61,34.71 32.67,34.77 D57.2 ; v1(76.51,73.66) 76.97,74.12 U11.3
  Bottom w0.203: v1(35.56,74.93) 38.1,72.39 75.24,72.39 v1(76.51,73.66) ; v1(48.27,57.01) 47.01,55.74 47.01,53.7 47.32,53.39 47.32,36.51 46.59,35.79 v1(45.21,35.79)
/Buttons/BR_5: length 192.2
  Top w0.203: 32.67,24.55 32.67,24.56 D61.2 ; 32.67,24.55 21.27,24.55 ; 32.67,24.55 43.02,24.55 D69.2 51.01,32.54 51.01,54.39 ; 21.19,46.39 32.73,46.39 ; 21.19,46.39 10.88,46.39 D8.2 ; 21.19,46.39 21.24,46.44 D16.2 ; 32.73,46.39 43.02,46.39 D33.2 51.01,54.39 ; 32.73,46.39 32.67,46.46 D25.2 ; 41.66,76.57 v1(41.66,74.93) 41.66,72.9 44.33,70.23 48.5,70.23 51.01,67.71 51.01,54.39 ; 21.27,24.55 10.88,24.55 D45.2 ; 21.27,24.55 21.24,24.59 D53.2 ; v1(76.51,77.37) 77.57,78.43 80.1,78.43 81.79,76.74 81.79,74.44 82.1,74.12 84.18,74.12
  Bottom w0.203: v1(76.51,77.37) 76.36,77.37 73.42,74.42 42.16,74.42 v1(41.66,74.93)
/Buttons/BR_6: length 190.6
  Top w0.203: 21.23,48.93 10.88,48.93 D7.2 ; 21.23,48.93 21.24,48.94 D15.2 ; 21.23,48.93 32.63,48.93 ; D24.2 32.67,48.97 32.63,48.93 ; 21.29,27.09 32.63,27.09 ; 21.29,27.09 21.24,27.14 D52.2 ; 21.29,27.09 10.88,27.09 D44.2 ; 32.63,27.09 32.67,27.12 D60.2 ; 32.63,27.09 43.02,27.09 D68.2 v1(45.21,28.17) ; 40.13,76.57 v1(40.13,74.93) 40.13,72.39 42.63,69.9 48.36,69.9 50.68,67.58 50.68,56.6 v1(48.31,54.23) D32.2 43.02,48.93 32.63,48.93 ; v1(76.51,76.44) 77.14,77.07 77.14,77.46 77.78,78.1 79.96,78.1 81.46,76.6 81.46,73.57 82.17,72.85 84.18,72.85
  Bottom w0.203: v1(40.13,74.93) 41.15,73.91 74.01,73.91 76.51,76.41 v1(76.51,76.44) ; v1(45.21,28.17) 48.31,31.27 v1(48.31,54.23)
/Buttons/BR_7: length 193.3
  Top w0.203: 21.19,29.63 21.24,29.67 D51.2 ; 21.19,29.63 10.88,29.63 D43.2 ; 21.19,29.63 32.63,29.63 ; 32.67,51.47 43.02,51.47 D31.2 46.7,55.15 v1(48.31,55.15) 50.35,57.19 50.35,67.44 48.22,69.57 40.92,69.57 38.61,71.88 v1(38.61,74.93) 38.61,76.57 ; 32.67,51.47 32.67,51.48 D23.2 ; 32.67,51.47 21.25,51.47 ; 32.63,29.63 32.67,29.67 D59.2 ; 32.63,29.63 43.02,29.63 D67.2 v1(45.21,30.71) ; 84.18,71.58 81.64,71.58 81.13,72.1 81.13,76.46 79.83,77.77 77.91,77.77 77.47,77.32 77.47,76.48 v1(76.51,75.51) ; 21.25,51.47 10.88,51.47 D6.2 ; 21.25,51.47 21.24,51.49 D14.2
  Bottom w0.203: v1(48.31,55.15) 47.68,54.52 47.68,53.97 47.98,53.67 47.98,31.41 47.28,30.71 v1(45.21,30.71) ; v1(76.51,75.51) 74.4,73.41 40.13,73.41 v1(38.61,74.93)
/Buttons/BR_8: length 194.4
  Top w0.203: D58.2 32.67,32.26 32.75,32.17 ; 32.75,32.17 43.02,32.17 D66.2 v1(45.21,33.25) ; 32.75,32.17 21.25,32.17 ; 21.25,32.17 21.24,32.19 D50.2 ; 21.25,32.17 10.88,32.17 D42.2 ; 21.31,54.01 21.24,54.09 D13.2 ; 21.31,54.01 10.88,54.01 D5.2 ; 21.31,54.01 32.61,54.01 ; 84.18,70.31 81.61,70.31 80.8,71.13 80.8,76.33 79.71,77.41 78.11,77.41 77.93,77.24 77.93,76.01 v1(76.51,74.59) ; D22.2 32.67,54.07 32.61,54.01 ; 32.61,54.01 43.02,54.01 D30.2 45.08,56.08 v1(48.3,56.08) 50.02,57.8 50.02,67.3 48.09,69.24 39.22,69.24 37.08,71.37 v1(37.08,74.93) 37.08,76.57
  Bottom w0.203: v1(48.3,56.08) 47.35,55.13 47.35,53.83 47.65,53.53 47.65,33.55 47.34,33.25 v1(45.21,33.25) ; v1(37.08,74.93) 39.12,72.9 74.82,72.9 v1(76.51,74.59)
/DEC_DI_A0: length 66.8
  Top w0.203: v1(22.86,79.25) 22.29,78.68 22.29,77.85 ; v1(49.28,83.31) 53.48,83.31 56.02,80.78 82.37,80.78 82.41,80.81 82.41,82.85 82.71,83.15 U10.3
  Bottom w0.203: v1(49.28,83.31) 47.75,81.79 25.4,81.79 v1(22.86,79.25)
/DEC_DI_A1: length 67.9
  Top w0.203: v1(24.13,79.25) 24.13,76.96 23.75,76.58 22.29,76.58 ; v1(49.28,82.04) 54.28,82.04 55.88,80.44 82.64,80.44 82.74,80.54 82.74,82.71 83.11,83.08 U10.4
  Bottom w0.203: v1(49.28,82.04) 48.51,81.28 26.16,81.28 v1(24.13,79.25)
/DEC_DI_A2: length 68.3
  Top w0.203: U10.5 83.51,83.01 83.07,82.57 83.07,80.18 83.01,80.11 55.74,80.11 55.09,80.77 v1(49.28,80.77) ; v1(25.4,79.25) 25.4,76.96 23.75,75.31 22.29,75.31
  Bottom w0.203: v1(25.4,79.25) 26.92,80.77 v1(49.28,80.77)
/LEDs/LC_1: length 65.4
  Top w0.203: OH1.2 OH1.12 8.93,5.43 54.76,5.43 55.5,4.7 55.5,3.66
/LEDs/LC_2: length 60.6
  Top w0.203: OH2.2 OH2.12 14.95,5.76 56.21,5.76 56.77,5.21 56.77,3.66
/LEDs/LC_3: length 57.1
  Top w0.203: OH3.2 OH3.12 20.97,6.09 58.93,6.09 59.31,5.72 59.31,3.66
/LEDs/LC_4: length 51.9
  Top w0.203: OH4.2 OH4.12 26.99,6.42 59.62,6.42 60.58,5.46 60.58,3.66
/LEDs/LC_5: length 46.6
  Top w0.203: 61.85,3.66 61.85,5.21 60.3,6.75 33.01,6.75 OH5.12 OH5.2
/LEDs/LC_6: length 41.7
  Top w0.203: OH6.2 OH6.12 39.03,7.08 61.5,7.08 63.12,5.46 63.12,3.66
/LEDs/LC_7: length 37.5
  Top w0.203: OH7.2 OH7.12 45.05,7.41 62.94,7.41 65.66,4.7 65.66,3.66
/LEDs/LC_8: length 32.2
  Top w0.203: 66.93,3.66 66.93,4.38 62.49,8.81 OH8.12 OH8.10 OH8.2
/LEDs/LR_1_MO: length 73.6
  Top w0.203: v1(55.12,11.68) 55.5,12.06 55.5,13.61
  Bottom w0.203: 28.35,20.05 34.77,20.05 ; 28.35,20.05 21.97,20.05 ; 28.35,20.05 28.41,20.11 OH5.1 ; 34.77,20.05 41.07,20.05 ; 34.77,20.05 34.76,20.06 OH6.1 ; 41.07,20.05 46,20.05 ; 41.07,20.05 41.11,20.09 OH7.1 ; 46,20.05 OH8.1 ; 46,20.05 52.27,20.05 52.61,19.71 52.61,12.21 53.14,11.68 v1(55.12,11.68) ; 9.37,20.05 15.65,20.05 ; 9.37,20.05 4.47,20.05 OH1.1 ; 9.37,20.05 9.36,20.06 OH2.1 ; 15.65,20.05 21.97,20.05 ; 15.65,20.05 15.71,20.11 OH3.1 ; 21.97,20.05 22.06,20.14 OH4.1
/LEDs/LR_2_MO: length 70.7
  Top w0.203: 56.77,13.61 56.77,11.81 v1(56.64,11.68)
  Bottom w0.203: OH4.3 22.06,17.93 22.03,17.9 ; 9.43,17.9 4.09,17.9 OH1.3 ; 9.43,17.9 15.69,17.9 ; 9.43,17.9 9.36,17.96 OH2.3 ; 22.03,17.9 28.39,17.9 ; 22.03,17.9 15.69,17.9 ; 28.39,17.9 34.79,17.9 ; 28.39,17.9 28.41,17.91 OH5.3 ; 34.79,17.9 41.09,17.9 ; 34.79,17.9 34.76,17.93 OH6.3 ; 15.69,17.9 15.71,17.91 OH3.3 ; OH7.3 41.11,17.91 41.09,17.9 ; 46.38,17.9 OH8.3 ; 46.38,17.9 52.2,17.9 52.28,17.81 52.28,12.08 53.44,10.92 55.88,10.92 v1(56.64,11.68) ; 46.38,17.9 41.09,17.9
/LEDs/LR_3_MO: length 69.6
  Top w0.203: 58.04,13.61 58.04,11.81 v1(57.91,11.68)
  Bottom w0.203: 9.35,15.36 15.65,15.36 ; 9.35,15.36 9.36,15.36 OH2.5 ; 9.35,15.36 4.09,15.36 OH1.5 ; 15.65,15.36 15.71,15.41 OH3.5 ; 15.65,15.36 22.07,15.36 ; 46.38,15.36 51.57,15.36 51.95,14.97 51.95,11.94 53.3,10.59 56.82,10.59 v1(57.91,11.68) ; 46.38,15.36 OH8.5 ; 46.38,15.36 41.07,15.36 ; OH5.5 28.41,15.4 28.37,15.36 ; 34.75,15.36 41.07,15.36 ; 34.75,15.36 28.37,15.36 ; 34.75,15.36 34.76,15.36 OH6.5 ; 41.07,15.36 41.11,15.4 OH7.5 ; 28.37,15.36 22.07,15.36 ; 22.07,15.36 22.06,15.36 OH4.5
/LEDs/LR_4_MO: length 68.8
  Top w0.203: 59.31,13.61 59.31,11.81 v1(59.18,11.68)
  Bottom w0.203: 22.11,12.82 22.06,12.86 OH4.7 ; 22.11,12.82 15.71,12.82 ; 22.11,12.82 28.41,12.82 ; 15.71,12.82 15.71,12.82 OH3.7 ; 15.71,12.82 9.41,12.82 ; OH6.7 34.76,12.86 34.71,12.82 ; 9.41,12.82 4.09,12.82 OH1.7 ; 9.41,12.82 9.36,12.86 OH2.7 ; 28.41,12.82 28.41,12.82 OH5.7 ; 28.41,12.82 34.71,12.82 ; 34.71,12.82 41.11,12.82 ; 41.11,12.82 41.11,12.82 OH7.7 ; 41.11,12.82 46.38,12.82 ; 46.38,12.82 OH8.7 ; 46.38,12.82 46.38,12.81 51.42,12.81 51.62,12.61 51.62,11.8 53.16,10.26 57.76,10.26 v1(59.18,11.68)
/LEDs/LR_5_MO: length 71.4
  Top w0.203: 63.12,13.61 63.12,11.81 v1(62.99,11.68)
  Bottom w0.203: OH1.9 4.09,10.28 9.35,10.28 ; OH4.9 22.06,10.29 22.05,10.28 ; 41.17,10.28 46.38,10.28 ; 41.17,10.28 41.11,10.34 OH7.9 ; 41.17,10.28 34.77,10.28 ; 46.38,10.28 52.68,10.28 53.04,9.91 61.22,9.91 v1(62.99,11.68) ; 46.38,10.28 OH8.9 ; 22.05,10.28 28.35,10.28 ; 22.05,10.28 15.67,10.28 ; 28.35,10.28 34.77,10.28 ; 28.35,10.28 28.41,10.34 OH5.9 ; 9.35,10.28 15.67,10.28 ; 9.35,10.28 9.36,10.29 OH2.9 ; 15.67,10.28 15.71,10.31 OH3.9 ; 34.77,10.28 34.76,10.29 OH6.9
/LEDs/LR_6_MO: length 73.4
  Top w0.203: 64.39,13.61 64.39,11.81 v1(64.26,11.68)
  Bottom w0.203: OH4.11 22.06,7.76 22.03,7.74 ; 9.39,7.74 15.79,7.74 ; 9.39,7.74 9.36,7.76 OH2.11 ; 9.39,7.74 4.09,7.74 OH1.11 ; 15.79,7.74 22.03,7.74 ; 15.79,7.74 15.71,7.81 OH3.11 ; 28.39,7.74 34.73,7.74 ; 28.39,7.74 28.41,7.76 OH5.11 ; 28.39,7.74 22.03,7.74 ; 34.73,7.74 34.76,7.76 OH6.11 ; 34.73,7.74 41.13,7.74 ; 46.38,7.74 50.93,7.74 52.78,9.58 62.16,9.58 v1(64.26,11.68) ; 46.38,7.74 OH8.11 ; 46.38,7.74 41.13,7.74 ; 41.13,7.74 41.11,7.76 OH7.11
/MAX7219_CLK: length 172.3
  Top w0.203: U10.29 87.85,90.45 88.14,90.74 v1(88.14,91.71) ; v1(74.17,13.46) 74.45,13.18 74.45,11.55 ; v1(55.63,68.83) 43.21,81.25 43.21,89.81 42.91,90.11 v1(42.21,90.11)
  Bottom w0.203: v1(55.63,68.83) 57.15,67.31 57.15,19.3 58.93,17.53 70.1,17.53 v1(74.17,13.46) ; v1(42.21,90.11) 39.76,90.11 34.14,95.74 34.14,97.81 35.03,98.7 83.76,98.7 88.14,94.33 v1(88.14,91.71)
/MAX7219_DIN: length 186.5
  Top w0.203: v1(86.61,92.51) 86.31,92.21 U10.31 ; v1(58.17,68.83) 56.64,70.36 55.04,70.36 43.87,81.52 43.87,91.64 43.54,91.97 v1(42.21,91.97) ; v1(72.02,4.18) 71.85,4.35 71.85,5.72
  Bottom w0.203: v1(58.17,68.83) 58.17,19.81 59.44,18.54 71.88,18.54 76.71,13.72 76.71,4.06 76.2,3.56 72.64,3.56 v1(72.02,4.18) ; v1(86.61,92.51) 86.61,94.92 83.49,98.04 35.31,98.04 34.8,97.54 34.8,96.01 38.9,91.91 42.16,91.91 v1(42.21,91.97)
/MAX7219_LOAD: length 183.2
  Top w0.203: v1(74.21,4.21) 73.8,4.62 73.8,5.72 ; U10.30 86.71,91.21 v1(87.21,91.71) ; v1(42.21,91.04) 43.18,91.04 43.54,90.68 43.54,81.39 55.08,69.85 55.88,69.85 v1(56.9,68.83)
  Bottom w0.203: v1(56.9,68.83) 57.66,68.07 57.66,19.56 59.18,18.03 71.63,18.03 76.2,13.46 76.2,5.08 75.33,4.21 v1(74.21,4.21) ; v1(87.21,91.71) 87.41,91.91 87.41,94.59 83.62,98.37 35.17,98.37 34.47,97.67 34.47,95.88 39.33,91.01 42.18,91.01 v1(42.21,91.04)
/MIDI_RX: length 103.6
  Top w0.203: 14.11,79.91 14.11,80.51 14.88,81.28 v1(16.38,81.28) ; 14.11,79.91 14.11,74.81 14.5,74.42 U2.5 ; 14.11,79.91 14.21,80.01 R12.2 ; v1(86.91,89.49) 87.03,89.61 U10.28
  Bottom w0.203: v1(86.91,89.49) 87.11,89.29 87.11,88.31 87.51,87.91 87.51,81.35 86.55,80.38 58.24,80.38 56.91,81.71 56.91,87.51 55.81,88.61 29.43,88.61 29.21,88.39 29.21,86.36 24.13,81.28 v1(16.38,81.28)
/MIDI_TX: length 76.7
  Top w0.203: v1(85.98,89.49) 86.6,88.86 87.17,88.86 87.52,89.21 U10.27 ; v1(30.01,89.71) R10.2
  Bottom w0.203: v1(85.98,89.49) 86.48,88.99 86.48,88.48 87.18,87.78 87.18,81.48 86.41,80.71 58.38,80.71 57.24,81.85 57.24,87.65 55.95,88.94 30.78,88.94 v1(30.01,89.71)
/MUX_COMMON_1: length 81.1
  Top w0.203: v1(69.31,64.61) 68.08,64.61 66.91,63.44 66.91,59.06 ; U10.39 83.11,92.71 84.49,94.09 90.43,94.09 v1(91.11,93.41)
  Bottom w0.203: v1(69.31,64.61) 90.71,64.61 94.91,68.81 97.31,68.81 99.31,70.81 99.31,92.21 98.71,92.81 91.61,92.81 91.11,93.31 v1(91.11,93.41)
/MUX_COMMON_2: length 106.3
  Top w0.203: v1(69.31,65.61) 68.64,64.94 67.94,64.94 64.26,61.27 64.26,37.85 66.67,35.43 66.91,35.43 ; v1(90.01,93.41) 89.66,93.76 84.62,93.76 83.51,92.65 U10.38
  Bottom w0.203: v1(69.31,65.61) 69.98,64.94 90.57,64.94 94.78,69.16 97.18,69.16 98.98,70.95 98.98,92.05 98.54,92.48 90.94,92.48 v1(90.01,93.41)
